# KiCad board SmallDSPMicro.kicad_pcb (continued)
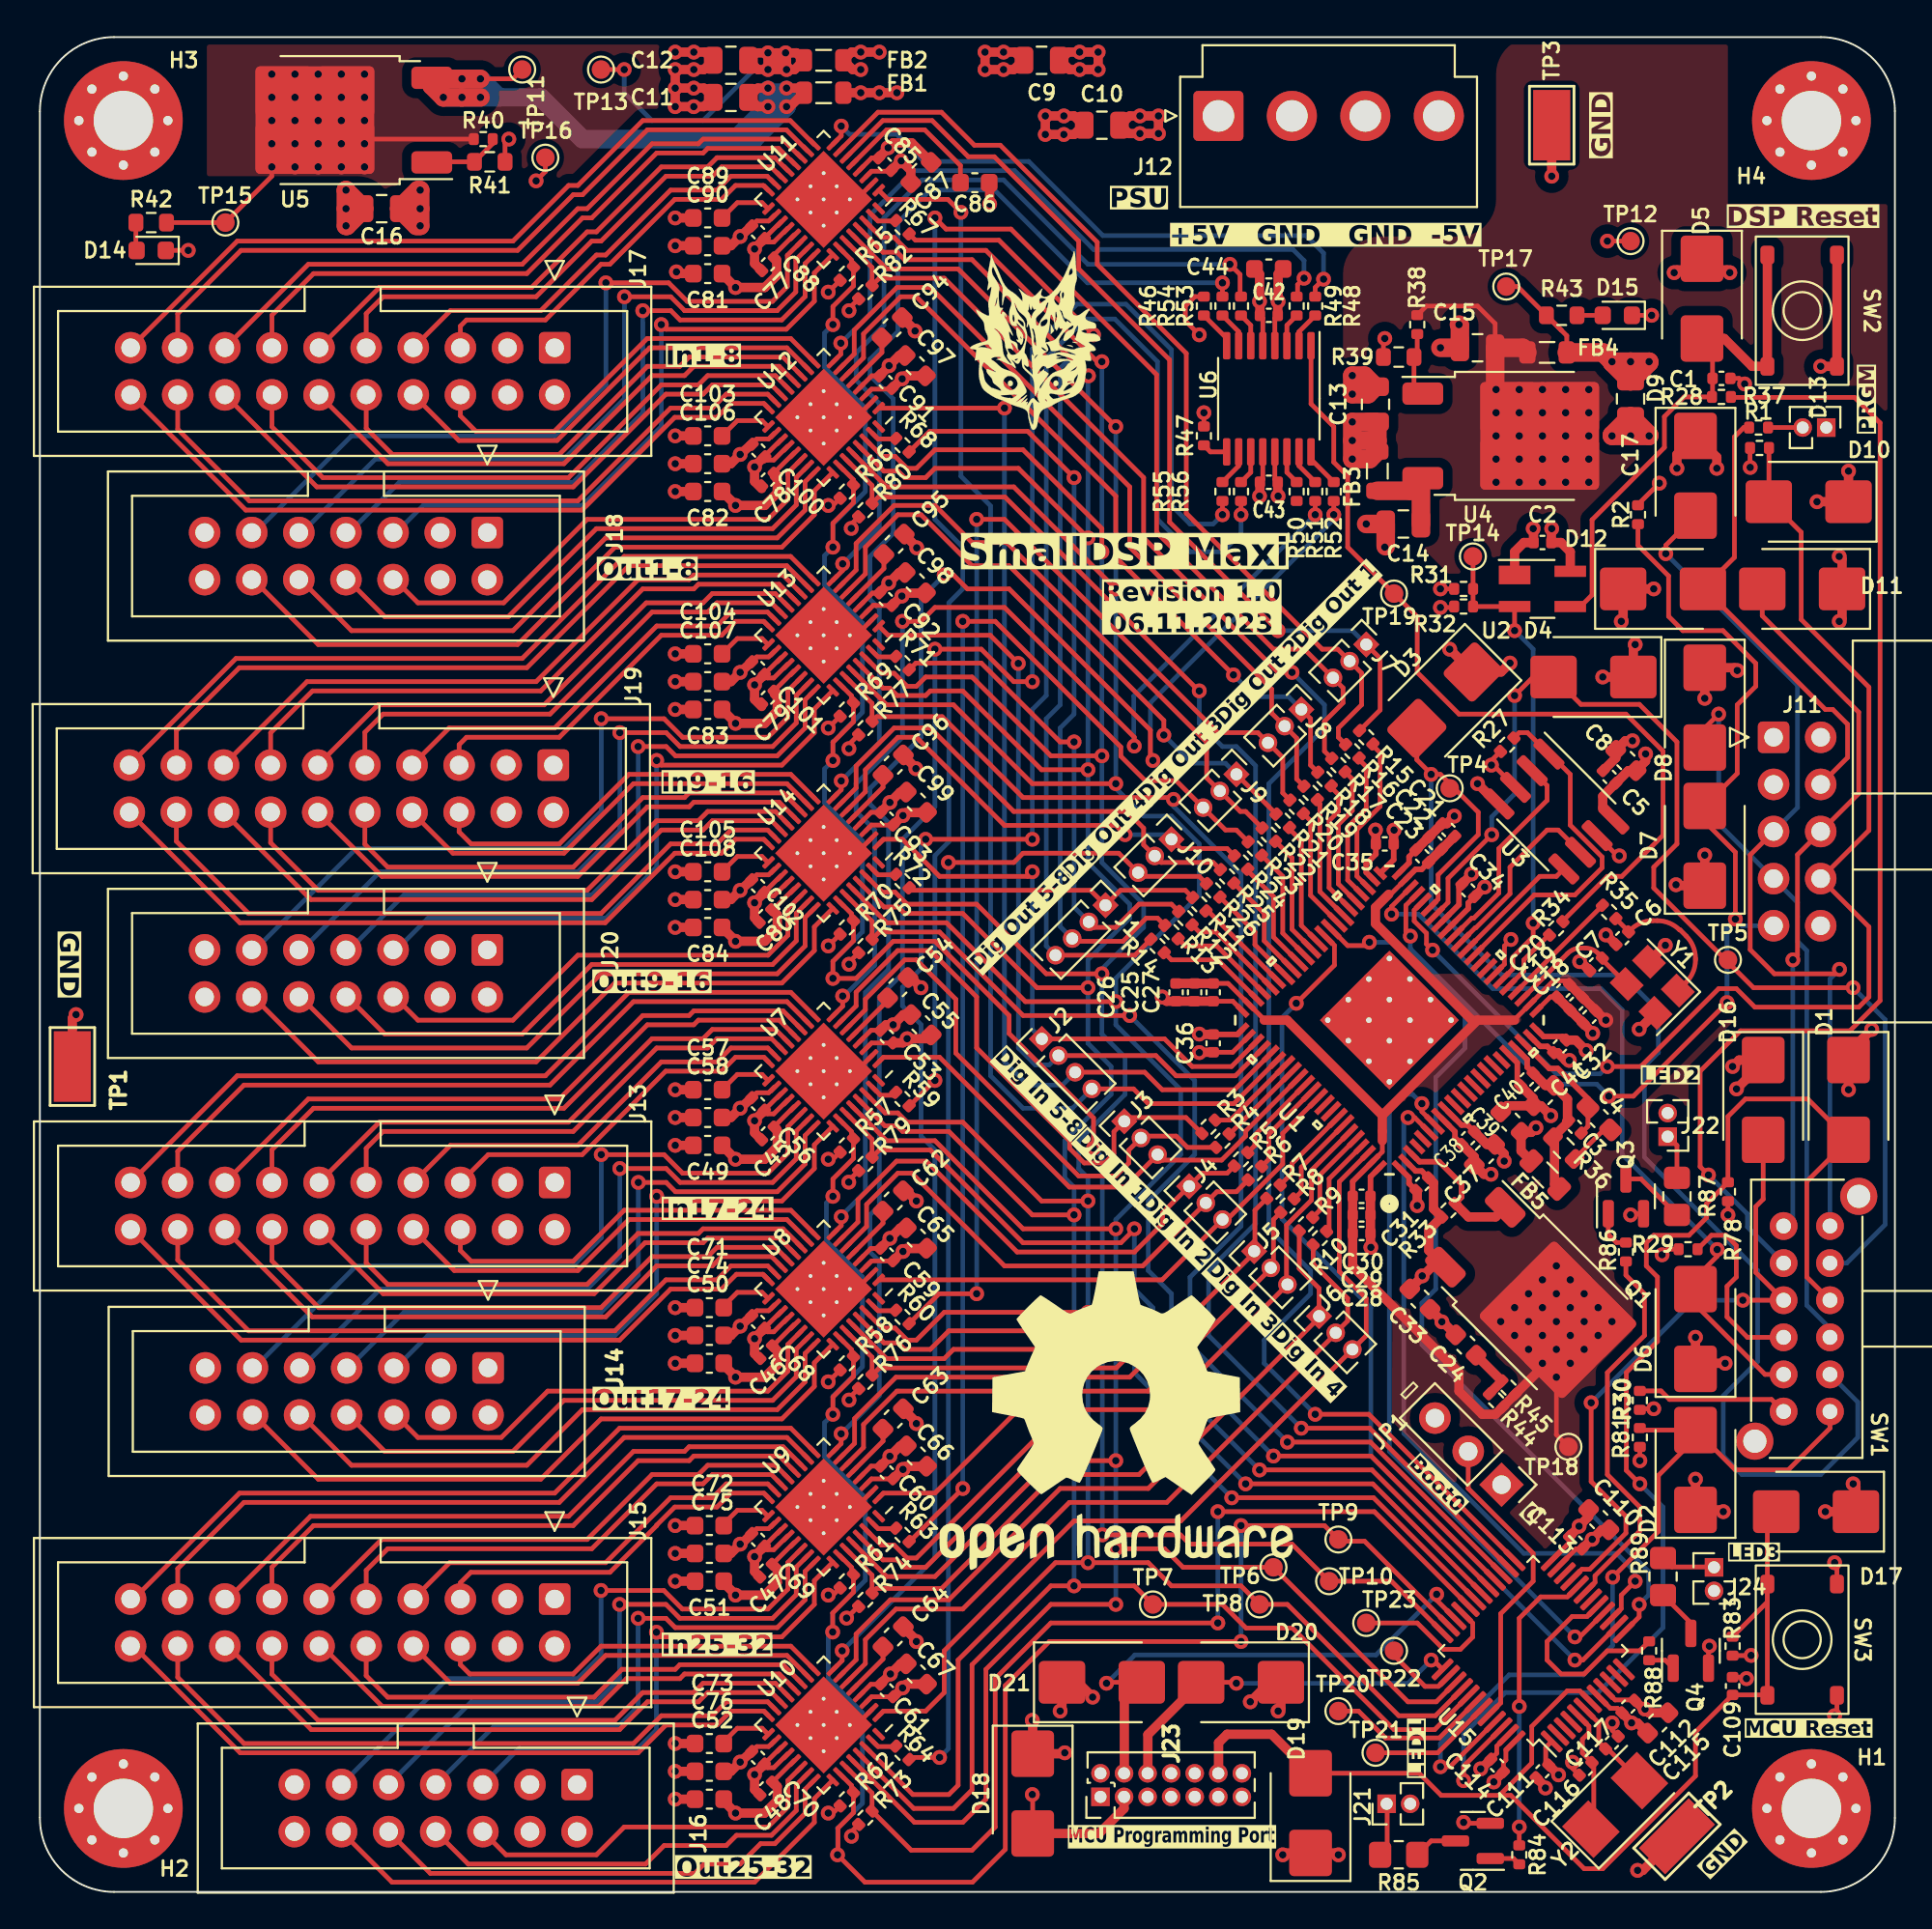
[diagram p0: board, top side]
## Routing (per net, layer and track width the routed paths; a pad name or vN(x,y) marks a point on that pad's centre or on a via; arc(x,y) is an arc through that point) (continued)
+5V: length 218.4
  Top w0.25: v1(23.75,97.75) 25.5,97.75 TP11.1
  Top w0.5: v1(39.25,96.25) 38.7,96.25 C11.1 38.7,97.25 v1(39.25,97.25) ; v1(40.25,97.25) 40.94,97.25 FB1.2 40.44,96.25 v1(40.25,96.25)
  Top w1: U5.3 21.12,97.38 v1(21.75,96.75) v1(22.75,96.75) v1(23.75,96.75) ; v1(23.75,97.75) v1(22.75,97.75) 21.18,97.75
  In2.Cu w1: 24.25,48.21 25.46,48.21 27.68,50.43 J19.2 28.46,58.21 30,59.75 30,61.5 24.25,67.25 24.25,70.71 25.45,70.71 27.75,73.01 J17.2 29.21,80.71 30.25,81.75 30.25,84.5 27.25,87.5 13.25,87.5 10,90.75 10,97.75 11.35,99.1 19.05,99.1 20.4,97.75 v1(22.75,97.75) ; v1(21.75,96.75) v1(22.75,97.75) ; v1(22.75,97.75) v1(23.75,96.75) v1(23.75,97.75) v1(22.75,96.75) ; 24.25,25.71 24.25,24.9 34.5,14.65 34.5,12.75 33.25,11.5 29.5,11.5 J15.2 31.5,9.5 31.5,4.75 30,3.25 J16.2 ; 24.54,48.21 35.25,37.5 35.25,35.75 34,34.5 30.75,34.5 29.54,35.71 J13.2 27.75,27.25 26.25,25.75 24.29,25.75
  Bottom w0.5: v1(40.25,97.25) v1(39.25,96.25) v1(39.25,97.25) v1(40.25,97.25) ; v1(40.25,97.25) v1(40.25,96.25) 40.15,96.25 39.25,97.15
  Bottom w1: 37.5,94.5 v1(39.25,96.25) ; 37.5,94.5 38.5,94.5 v1(40.25,96.25) ; 37.5,94.5 29.25,94.5 27,96.75 24.75,96.75 ; v1(39.25,96.25) v1(40.25,96.25) ; v1(39.25,96.25) 39.25,97.15 ; v1(40.25,96.25) 40.25,97.15 ; 24.75,96.75 v1(23.75,96.75) v1(21.75,96.75) ; 24.75,96.75 v1(23.75,97.75) ; v1(22.75,97.75) v1(22.75,96.75)
-5V: length 330.5
  Top w0.25: TP13.1 v1(31.5,98.25)
  Top w0.5: v1(40.25,98.25) 40.69,98.25 FB2.2 40.79,99.15 v1(40.2,99.15) ; v1(40.25,98.25) v1(39.25,98.25) ; v1(40.25,98.25) 40.25,98.75 ; v1(40.25,98.25) 39.35,99.15 v1(39.25,99.15) ; v1(40.2,99.15) v1(39.25,99.15) ; v1(40.2,99.15) 40.25,99.1 40.25,98.75 ; v1(39.25,99.15) 38.6,99.15 C12.1 38.7,98.25 v1(39.25,98.25) ; v1(39.25,99.15) v1(39.25,98.25) ; v1(39.25,98.25) 39.75,98.75 40.25,98.75
  In2.Cu w0.5: v1(39.25,98.25) 39.3,98.25
  In2.Cu w1: 39.5,1.75 38.65,0.9 13.6,0.9 11.75,2.75 11.75,6.25 14,8.5 ; 14,8.5 11.25,11.25 4.25,11.25 3.25,12.25 3.25,16.5 4.5,17.75 ; 14,8.5 26.75,8.5 28.96,6.29 J16.1 ; 9.75,30.75 7.25,33.25 4.75,33.25 3.25,34.75 3.25,39.25 4.75,40.75 ; 9.75,30.75 9.11,30.75 7,28.64 7,20.25 4.5,17.75 ; 9.75,30.75 23,30.75 24.25,29.5 24.25,28.25 ; 4,63.25 7,66.25 7,73.8 8.7,75.5 10,75.5 ; 4,63.25 25.18,63.25 J19.1 ; 4,63.25 3,62.25 3,56.5 6.25,53.25 ; 10,75.5 23.25,75.5 24.25,74.5 24.25,73.25 ; 10,75.5 7,78.5 4.25,78.5 3,79.75 3,84.25 4.25,85.5 25.75,85.5 27.75,83.5 ; 4.75,40.75 6.25,42.25 6.25,53.25 ; 4.75,40.75 26.25,40.75 27.75,39.25 J13.1 ; 4.5,17.75 5.25,18.5 26.27,18.5 27.75,17.02 J15.1 ; 6.25,53.25 23.5,53.25 24.25,52.5 24.25,50.75
  Bottom w0.25: v1(39.25,98.25) 38.5,98.25 35.75,95.5 33,95.5 31.5,97 v1(31.5,98.25)
/5V PR: length 24.6
  Top w0.25: J11.4 97.45,61.16 97.45,62.95 96.65,63.75 96.25,63.75 89.75,70.25 D12.2 91.35,71.95 91.35,78.45 91.85,78.95 R37.1
GND: length 266.6
  Top w0.25: 39.04,30.37 39.22,30.2 39.56,30.2 40.31,30.94 ; 39.95,19.55 39.04,18.64 ; R62.2 42.75,4.25 v1(42.5,4.25) ; U6.12 65.93,76.15 C43.2 ; 40.31,7.44 39.56,6.7 39.22,6.7 39.04,6.87 ; U6.5 65.93,84.85 C42.2 ; U9.2 44.02,20.75 ; 39.95,7.8 39.04,6.89 ; v1(92.2,76.8) 92.19,76.81 R1.1 ; C109.1 91.92,11.58 v1(92,11.5) ; R29.1 87.75,34.65 v1(87.45,34.35) ; U13.2 44.02,67.75 ; v1(42.5,39.5) 42.75,39.5 R57.2 ; 45.31,11.19 44.8,11.19 U10.4 ; C1.2 91.6,81.6 v1(91.9,81.3) ; v1(25.28,94.5) 25.08,94.3 R41.2 ; C91.2 44.84,81.74 U12.4 ; R70.2 v1(42.5,51) ; TP12.1 v1(84.5,89) ; U1.66 64.31,48.02 C27.2 ; v1(79.3,51.35) 78.95,51 78.95,50.02 U1.29 ; U15.47 78.54,7.86 78.54,7.47 C114.1 ; U15.23 82.81,18.49 C113.1 ; v1(82.62,6.99) 82.62,6.66 C116.2 ; v1(85.75,36.5) 85.81,36.56 Q3.2 ; 45.15,70.03 44.88,70.03 U13.4 ; U10.2 44.02,9 ; U8.2 44.02,32.5 ; v1(96.75,9.5) 96.88,9.62 SW3.1 ; U7.2 44.02,44.25 ; R58.2 v1(42.5,27.5) ; 45.31,34.69 44.8,34.69 U8.4 ; 40.31,54.44 39.56,53.7 39.22,53.7 39.04,53.87 ; 39.04,77.37 39.22,77.2 39.56,77.2 40.31,77.94 ; C60.2 44.81,22.96 U9.4 ; 39.95,43.05 39.04,42.14 ; v1(42.5,16) 42.75,16 R61.2 ; R66.2 42.75,74.75 v1(42.5,74.75) ; Q2.2 76.8,3.7 v1(76.75,3.75) ; v1(26.75,92.25) 27.25,92.75 TP16.1 ; v1(96.75,17.75) 96.88,17.62 SW3.1 ; 39.95,90.05 39.04,89.14 ; 39.95,54.8 39.04,53.89 ; C117.2 84.76,8.71 v1(84.76,9.11) ; v1(90,13.25) 89.95,13.2 Q4.2 ; v1(72.5,83.75) 72.43,83.67 R39.2 ; 39.95,78.3 39.04,77.39 ; R65.2 v1(42.5,86.25) ; R69.2 v1(42.5,62.75) ; R31.1 v1(75.5,70.25) ; U12.2 44.02,79.5 ; U11.4 44.84,93.49 C85.2 ; U11.2 44.02,91.25 ; 40.31,66.19 39.56,65.45 39.22,65.45 39.04,65.62 ; 39.04,89.12 39.22,88.95 39.56,88.95 40.31,89.69 ; C93.2 44.81,58.21 U14.4 ; U15.8 84.66,9.9 85.04,9.9 C112.1 ; U1.23 81.43,48.25 C20.2 ; 39.04,18.62 39.22,18.45 39.56,18.45 40.31,19.19 ; 39.04,42.12 39.22,41.95 39.56,41.95 40.31,42.69 ; D15.1 v1(86.89,85) ; U7.4 44.81,46.46 C53.2 ; U14.2 44.02,56 ; 39.95,66.55 39.04,65.64 ; D14.1 v1(8,88.5) ; 39.95,31.3 39.04,30.39
  Top w0.3: C35.2 72.98,55.65 U1.45 ; U1.18 79.64,44.7 79.64,43.64 C40.2 ; C31.2 73.81,38.19 73.81,38.51 U1.1 ; U1.88 71.73,38.56 C30.2 ; U1.67 64.56,46.23 C36.2 ; C38.2 76.29,40.66 76.29,40.99 U1.8 ; C23.2 73.81,55.81 73.81,55.49 U1.44 ; C34.2 77,53.32 77,53.02 U1.36 ; U1.21 80.88,45.59 81.26,45.59 C32.2
  Top w0.5: C77.2 38.53,87.79 v1(38.53,88.58) ; C58.2 v1(34.25,41.75) ; C80.2 38.53,52.52 v1(38.53,53.33) ; 39.04,77.37 38.53,76.86 ; C31.2 74.25,37.75 v1(74.25,37) ; 80.52,73.48 C2.2 80,72.75 79.5,72.25 U2.1 ; C57.2 v1(34.25,43.25) ; C35.2 72.98,57.23 v1(73,57.25) ; v1(60.5,48.25) 60.73,48.02 C25.2 62,48.02 ; C45.2 38.53,40.93 v1(38.53,41.58) ; C105.2 v1(34.25,55) ; C67.2 46.4,12.3 v1(45.85,11.75) 45.32,11.22 C61.2 ; C23.2 C22.2 C21.2 75.84,57.59 v1(76.25,58) ; C89.2 v1(34.25,90.25) ; C83.2 v1(34.25,63.75) ; v1(47.25,13.5) 47.25,13.57 46.53,14.28 ; C43.2 65.77,75.27 v1(65.75,75.25) ; TP1.1 1.75,47.1 v1(1.95,47.3) ; v1(34.32,87.34) 34.41,87.25 C81.2 ; v1(38.53,6.33) 38.53,5.52 38.77,5.27 ; 45.31,58.19 45.82,58.71 v1(45.82,58.74) 46.37,59.28 46.69,59.28 ; v1(96,82.25) SW2.1 SW2.1 ; 39.04,30.37 38.53,29.86 ; C91.2 45.78,82.26 v1(45.78,82.28) 46.32,82.83 C97.2 ; C94.2 47.18,84.19 ; 35.85,99.19 v1(35.25,99.19) v1(34.25,99.19) ; 46.63,71.12 46.31,71.12 v1(45.76,70.57) 45.76,70.54 45.25,70.03 ; C20.2 C19.2 C18.2 83.71,46.32 v1(83.71,46.29) ; 80.56,42.39 80.91,42.39 v1(81.45,41.85) ; 80.56,42.39 79.09,42.39 C39.2 ; 80.56,42.39 C41.2 80.51,42.78 C40.2 ; C108.2 v1(34.25,53.5) ; v1(34.25,97.25) v1(34.25,98.25) v1(35.25,98.25) 35.8,98.25 C12.2 35.85,99.2 ; v1(34.25,97.25) v1(35.25,97.25) 35.8,97.25 C11.2 35.8,96.25 v1(35.25,96.25) v1(34.25,96.25) v1(34.25,97.25) ; v1(57.05,99.19) v1(56.05,99.19) 55.45,99.19 ; v1(83,50.16) 83.06,50.16 C7.2 ; C103.2 v1(34.25,78.5) ; 35.22,6.5 v1(34.25,6.5) ; 38.77,17.02 38.53,17.27 v1(38.53,18.08) ; v1(62.5,46.25) 62.52,46.23 C36.2 ; 46.95,49.3 v1(47.5,48.75) ; C90.2 v1(34.25,88.75) ; C110.2 84.19,19.52 v1(83.68,19.01) 83.65,19.01 C113.1 ; C107.2 v1(34.25,65.25) ; C84.2 v1(34.25,52) ; TP3.1 v1(81.5,92.5) ; v1(71.75,34.75) 71.73,34.77 C28.2 C29.2 C30.2 ; C27.2 62,48.02 ; 62,48.02 C26.2 ; v1(82.45,44.83) 82.24,44.83 81.82,45.25 C32.2 ; 35.22,19.75 v1(34.25,19.75) ; C42.2 65.77,85.73 v1(65.75,85.75) 65.75,87.22 C44.2 ; v1(47.25,25.25) 47.25,25.32 46.53,26.03 ; C115.2 86.12,9.11 v1(85.8,9.11) 85.8,9.14 C112.1 ; 35.22,5 v1(34.25,5) ; TP2.1 86.41,1.16 v1(86.13,1.16) ; C111.1 81.16,5.66 v1(81.16,5.6) ; v1(84.42,51.6) 84.45,51.6 C6.2 ; v1(86.21,46.51) Y1.4 ; 78.6,58.65 v1(77.5,59.75) ; C38.2 77.33,39.62 C37.2 77.84,38.69 v1(78.23,38.69) ; v1(85.85,62.06) 85.46,62.06 C8.2 84.95,61.13 C5.2 ; 45.31,22.94 45.82,23.46 v1(45.82,23.49) 46.37,24.03 46.69,24.03 ; 35.22,28.5 v1(34.25,28.5) ; C82.2 v1(34.25,75.5) ; C86.2 51.2,92.12 v1(51.2,91) ; C85.2 45.73,94.01 v1(45.73,94.03) 45.99,94.3 47,94.3 C87.2 ; v1(38.53,65.08) 38.53,64.29 38.91,63.91 ; v1(38.53,76.83) 38.53,76.04 38.91,75.66 ; C53.2 45.61,46.75 v1(46,46.75) 46.55,47.3 C55.2 ; 39.04,65.62 38.53,65.11 ; C24.2 75.62,30.74 v1(75.58,30.74) 75.58,30.78 C33.2 ; 39.04,53.87 38.53,53.36 ; 35.22,30 v1(34.25,30) ; C106.2 v1(34.25,77) ; 45.31,34.69 45.82,35.21 v1(45.82,35.24) 46.37,35.78 46.69,35.78 ; 55.45,99.2 55,98.75 55.5,98.25 v1(56.05,98.25) v1(57.05,98.25) 57.05,99.2 ; 39.04,42.12 38.53,41.61 ; 46.53,61.28 47.22,60.59 ; C114.1 77.7,6.64 v1(77.67,6.64) ; 39.04,89.12 38.53,88.61 ; C49.2 v1(34.25,40.25) ; 35.22,16.75 v1(34.25,16.75) ; C104.2 v1(34.25,66.75) ; 38.77,28.77 38.53,29.02 v1(38.53,29.83) ; 35.22,8 v1(34.25,8) ; v1(77.88,54.18) 77.86,54.18 C34.2 ; v1(87.63,51.03) Y1.2 ; 39.04,18.62 38.53,18.11 ; 39.04,6.87 38.53,6.36 ; 46.58,73.19 47.27,72.5 ; 35.22,18.25 v1(34.25,18.25) ; 35.22,31.5 v1(34.25,31.5) ; 46.7,37.8 v1(47.25,37.25) ; v1(59.3,94.8) 58.7,94.8 58.25,95.25 58.75,95.75 v1(59.3,95.75) v1(60.3,95.75) v1(60.3,94.8) v1(59.3,94.8)
  Top w1: v1(76.5,84.5) 76.55,84.45 C15.2 v1(75.5,83.25) ; C17.2 84.75,78.55 v1(84.75,78.5) v1(85.75,78.5) ; C17.2 v1(85.75,78.5) ; C17.2 86.75,78.55 v1(86.75,78.5) v1(85.75,78.5) ; v1(71.5,73.75) C14.2 72.55,72.55 ; v1(20.5,90.75) v1(20.5,89.83) 20.3,89.83 C16.2 ; v1(20.5,90.75) v1(20.5,91.75) 20.38,91.75 C16.2 ; v1(20.5,90.75) C16.2 ; 71.4,81.75 C13.2 71.6,80.75 v1(70.75,80.75) v1(70.75,81.75) 71.4,81.75
  vias: v1(47.18,84.16) v1(47.22,60.56) v1(47.27,72.47) v1(72.5,72.5) v1(80.5,73.5)
/BCLK In0: length 30
  Top w0.25: 58.66,41.75 61.78,41.75 R3.1 ; U7.7 44,47.77 44,48.51 46.24,50.75 48,50.75 50.5,48.25 50.5,45.5 55.51,40.49 55.51,40.09 56.3,39.3 57.4,39.3 57.9,39.8 57.9,40.99 J3.1
/BCLK In1: length 28.1
  Top w0.25: R5.1 64,38.75 62.66,38.75 J4.1 60.53,36.62 60.53,36.03 59,34.5 52.68,34.5 47.78,39.4 46.18,39.4 44.1,37.32 44.1,36.12 U8.7
/BCLK In2: length 30.8
  Top w0.25: U9.7 43.92,24.19 43.92,25.52 46.15,27.75 58.75,27.75 65.46,34.46 ; R7.1 65.5,36.75 65.5,34.59
/BCLK In3: length 39.7
  Top w0.25: J6.1 68.96,32.54 67.89,33.61 R9.1 ; U10.7 44,12.52 44,13.9 45.85,15.75 49,15.75 55,21.75 59.75,21.75 68.96,30.96
/BCLK Out0: length 51.8
  Top w0.25: U11.7 45.18,95.95 48.6,95.95 50.38,94.17 51.77,94.17 57,88.94 57,87.75 61.8,82.95 61.8,74.33 69.12,67 69.96,67 J7.2 71.25,65.71 71.25,64 70,62.75 70,62.25 R16.2
/BCLK Out1: length 42.7
  Top w0.25: U12.7 43.9,82.92 43.9,84.2 46.2,86.5 48,86.5 58.75,75.75 58.75,72.5 66.4,64.85 66.4,63.55 J8.2 67.75,62.2 67.75,60 R19.2
/BCLK Out2: length 33.8
  Top w0.25: U13.7 44,71.27 44,72.7 46.05,74.75 48.25,74.75 50.25,72.75 52.12,72.75 62.9,61.97 62.9,60.06 J9.2 64.71,58.25 65,58.25 R22.2
/BCLK Out3: length 26.6
  Top w0.25: R25.2 63.25,55.5 60.45,55.5 J10.2 59.5,56.45 59.5,57.35 58.6,58.25 52.5,58.25 48,62.75 46.05,62.75 44,60.7 44,59.52 U14.7
/Codecs 1-4/In L1+: length 19.5
  Top w0.25: 39.28,44.75 39.03,45 37.5,45 36.75,44.25 33.74,44.25 29.24,39.75 24.17,39.75 J13.5
/Codecs 1-4/In L1-: length 22.7
  Top w0.25: J13.7 22.13,40.25 29,40.25 33.5,44.75 36.5,44.75 37.25,45.5 39.24,45.5 39.63,45.1
/Codecs 1-4/In L2+: length 33.2
  Top w0.25: 40.69,46.16 39.86,47 35.5,47 35.25,46.75 32.75,46.75 28.25,42.25 14.75,42.25 12.51,40.01 J13.13
/Codecs 1-4/In L2-: length 35.3
  Top w0.25: J13.15 14.47,42.75 28,42.75 32.5,47.25 35,47.25 35.25,47.5 40.07,47.5 41.05,46.52
/Codecs 1-4/In L3+: length 38.8
  Top w0.25: U8.16 38.98,33.3 37.55,33.3 36.75,32.5 34,32.5 31.25,29.75 10.85,29.75 J13.20 ; 39.28,33 39.03,33.25
/Codecs 1-4/In L3-: length 37
  Top w0.25: 39.63,33.35 39.24,33.75 37.25,33.75 36.5,33 33.75,33 31,30.25 11.25,30.25 7.43,34.07 J13.18
/Codecs 1-4/In L4+: length 28.7
  Top w0.25: 40.69,34.41 39.86,35.25 36,35.25 35.75,35 32.62,35 29.88,32.25 18.51,32.25 J13.12
/Codecs 1-4/In L4-: length 27.4
  Top w0.25: 41.05,34.77 40.07,35.75 35.75,35.75 35.5,35.5 32.25,35.5 29.5,32.75 18.75,32.75 17.59,33.91 J13.10
/Codecs 1-4/In L5+: length 19.6
  Top w0.25: 39.28,21.25 39.03,21.5 37.25,21.5 36.5,20.75 34.22,20.75 33.25,19.78 33.25,19.75 30.73,17.23 23.23,17.23 22.67,16.67 J15.5
/Codecs 1-4/In L5-: length 22.2
  Top w0.25: J15.7 22.09,17.75 30.5,17.75 34,21.25 36.25,21.25 37,22 39.24,22 39.63,21.6
/Codecs 1-4/In L6+: length 32.7
  Top w0.25: 40.69,22.66 39.86,23.5 35.25,23.5 35,23.25 32.25,23.25 28.75,19.75 14.75,19.75 12.51,17.51 J15.13
/Codecs 1-4/In L6-: length 34.7
  Top w0.25: 10.13,15.79 14.59,20.25 28.5,20.25 32,23.75 34.75,23.75 35,24 40.07,24 41.05,23.02
/Codecs 1-4/In L7+: length 37.6
  Top w0.25: 39.28,9.5 39.03,9.75 37.25,9.75 36.5,9 33.75,9 32.25,7.5 10.8,7.5 5.05,13.25
/Codecs 1-4/In L7-: length 36.5
  Top w0.25: J15.18 7.43,11.57 11,8 32,8 33.5,9.5 36.25,9.5 37,10.25 39.24,10.25 39.63,9.85
/Codecs 1-4/In L8+: length 27.9
  Top w0.25: 15.21,13.25 18.46,10 30.12,10 31.62,11.5 34.5,11.5 34.75,11.75 39.86,11.75 40.69,10.91
/Codecs 1-4/In L8-: length 26.7
  Top w0.25: 41.05,11.27 40.07,12.25 34.5,12.25 34.25,12 31.38,12 29.88,10.5 18.75,10.5 17.59,11.66 J15.10
/Codecs 1-4/In R1+: length 26.9
  Top w0.25: 39.99,45.46 39.44,46 36.5,46 36,45.5 33.25,45.5 28.75,41 18.5,41 17.59,40.09 J13.9
/Codecs 1-4/In R1-: length 29
  Top w0.25: J13.11 18.3,41.5 28.5,41.5 33,46 35.75,46 36.25,46.5 39.65,46.5 40.34,45.81
/Codecs 1-4/In R2+: length 39.5
  Top w0.25: 41.4,46.87 40.27,48 32,48 27.5,43.5 11,43.5 7.43,39.93 J13.17
/Codecs 1-4/In R2-: length 41.6
  Top w0.25: J13.19 10.64,44 27.25,44 31.75,48.5 40.48,48.5 41.75,47.22
/Codecs 1-4/In R3+: length 33.5
  Top w0.25: 39.99,33.71 39.44,34.25 36.75,34.25 36.25,33.75 33.25,33.75 30.5,31 14.68,31 J13.16
/Codecs 1-4/In R3-: length 32.2
  Top w0.25: J13.14 12.51,34.02 15.03,31.5 30.25,31.5 33,34.25 36,34.25 36.5,34.75 39.65,34.75 40.34,34.06
/Codecs 1-4/In R4+: length 23.8
  Top w0.25: 41.4,35.12 40.27,36.25 31.75,36.25 29,33.5 22.34,33.5 J13.8
/Codecs 1-4/In R4-: length 22.1
  Top w0.25: 41.75,35.47 40.48,36.75 31.5,36.75 28.75,34 23.25,34 22.67,34.58 J13.6
/Codecs 1-4/In R5+: length 26.3
  Top w0.25: 39.99,21.96 39.44,22.5 36.25,22.5 35.75,22 33.25,22 29.75,18.5 18.75,18.5 17.59,17.34 J15.9
/Codecs 1-4/In R5-: length 28.4
  Top w0.25: 15.21,15.79 18.42,19 29.5,19 33,22.5 35.5,22.5 36,23 39.65,23 40.34,22.31
/Codecs 1-4/In R6+: length 39
  Top w0.25: J15.17 7.43,17.43 11,21 28,21 31.5,24.5 40.27,24.5 41.4,23.37
/Codecs 1-4/In R6-: length 41
  Top w0.25: 41.75,23.72 40.48,25 31.25,25 27.75,21.5 10.76,21.5 5.05,15.79
/Codecs 1-4/In R7+: length 32.8
  Top w0.25: 39.99,10.21 39.44,10.75 36,10.75 35.5,10.25 32.75,10.25 31.25,8.75 14.63,8.75 10.13,13.25
/Codecs 1-4/In R7-: length 31.5
  Top w0.25: J15.14 12.51,11.74 15,9.25 31,9.25 32.5,10.75 35.25,10.75 35.75,11.25 39.65,11.25 40.34,10.56
/Codecs 1-4/In R8+: length 23.2
  Top w0.25: J15.8 22.13,11.25 29,11.25 30.5,12.75 40.27,12.75 41.4,11.62
/Codecs 1-4/In R8-: length 21.4
  Top w0.25: 41.75,11.97 40.48,13.25 30.25,13.25 28.75,11.75 23.17,11.75 22.67,12.25 J15.6
/Codecs 1-4/Out L1: length 39.5
  Top w0.25: v1(30.26,39.75) 33.65,39.75 34.65,38.75 39.25,38.75 40.32,39.83 40.32,41.26 U7.22
  Bottom w0.25: 11.55,28.25 17.05,33.75 28.75,33.75 30.26,35.26 v1(30.26,39.75)
/Codecs 1-4/Out L2: length 34.8
  Top w0.25: 41.75,41.29 41.25,40.78 41.25,39.25 39.75,37.75 34.26,37.75 33.76,38.25 v1(32.26,38.25)
  Bottom w0.25: 16.63,28.25 19.63,31.25 30.25,31.25 32.26,33.26 v1(32.26,38.25)
/Codecs 1-4/Out L3: length 25.6
  Top w0.25: 19.17,25.71 20.38,24.5 24.88,24.5 27.37,27 39.25,27 40.32,28.08 40.32,29.51 U8.22
/Codecs 1-4/Out L4: length 32.4
  Top w0.25: 14.09,25.71 16.8,23 26.25,23 29.25,26 39.75,26 41.25,27.5 41.25,29.03 41.75,29.54
/Codecs 1-4/Out L5: length 33.8
  Top w0.25: U9.22 40.32,17.76 40.32,16.33 39.25,15.25 34.64,15.25 33.64,16.25 v1(30.25,16.25)
  Bottom w0.25: J16.11 21.97,11.5 29,11.5 30.25,12.75 v1(30.25,16.25)
/Codecs 1-4/Out L6: length 29.5
  Top w0.25: v1(32.25,14.75) 33.75,14.75 34.25,14.25 39.75,14.25 41.25,15.75 41.25,17.28 41.75,17.79
  Bottom w0.25: v1(32.25,14.75) 32.25,10 31.25,9 24.55,9 J16.7
/Codecs 1-4/Out L7: length 20.5
  Top w0.25: J16.6 25.13,2 30,2 31.5,3.5 39.25,3.5 40.32,4.58 40.32,6.01 U10.22
/Codecs 1-4/Out L8: length 26.7
  Top w0.25: 41.75,6.04 41.25,5.53 41.25,4.23 39.62,2.6 38.85,2.6 37.75,1.5 35.8,1.5 35.3,1 21.05,1 J16.10
/Codecs 1-4/Out R1: length 37.1
  Top w0.25: v1(31.26,39) 33.76,39 34.51,38.25 39.5,38.25 40.78,39.52 40.78,41.01 41.4,41.64
  Bottom w0.25: v1(31.26,39) 31.26,34.26 29.5,32.5 18.34,32.5 14.09,28.25
/Codecs 1-4/Out R2: length 33
  Top w0.25: 42.75,41.28 41.75,40.28 41.75,39 40,37.25 33.5,37.25 v1(33.25,37.5) ; 42.73,41.27 42.74,41.26
  Bottom w0.25: 19.17,28.25 20.92,30 31,30 33.25,32.25 v1(33.25,37.5)
/Codecs 1-4/Out R3: length 29
  Top w0.25: 16.63,25.71 18.59,23.75 25.5,23.75 28.25,26.5 39.5,26.5 40.77,27.77 40.78,29.26 41.4,29.89
/Codecs 1-4/Out R4: length 36.4
  Top w0.25: 42.73,29.52 42.74,29.51 ; 42.75,29.53 41.75,28.53 41.75,27.25 40,25.5 30.25,25.5 27,22.25 15.01,22.25 11.55,25.71
/Codecs 1-4/Out R5: length 31.6
  Top w0.25: v1(31.25,15.5) 33.75,15.5 34.5,14.75 39.5,14.75 40.78,16.02 40.77,17.51 41.4,18.14
  Bottom w0.25: v1(31.25,15.5) 31.25,11.5 30,10.25 23.26,10.25 J16.9
/Codecs 1-4/Out R6: length 27.9
  Top w0.25: 42.75,17.78 41.75,16.78 41.75,15.5 40,13.75 33.49,13.75 v1(33.24,14) ; 42.73,17.77 42.74,17.76
  Bottom w0.25: v1(33.24,14) 33.24,8.74 32.25,7.75 25.84,7.75 J16.5
/Codecs 1-4/Out R7: length 23.6
  Top w0.25: 41.4,6.39 40.78,5.76 40.78,4.39 39.43,3.05 37.55,3.05 37,2.5 33.65,2.5 32.65,1.5 23.09,1.5 J16.8
/Codecs 1-4/Out R8: length 30.7
  Top w0.25: J16.12 18.98,0.53 38.53,0.53 41.75,3.75 41.75,5.03 42.75,6.03 ; 42.73,6.02 42.74,6.01
/Codecs 5-8/In L1+: length 21
  Top w0.25: 39.26,91.74 39,92 37.5,92 36.75,91.25 34.22,91.25 30.72,87.75 30.25,87.75 27.25,84.75 23,84.75 22.67,84.42 J17.5
/Codecs 5-8/In L1-: length 23.5
  Top w0.25: J17.7 22.13,85.25 27,85.25 30,88.25 30.5,88.25 34,91.75 36.5,91.75 37.25,92.5 39.21,92.5 39.62,92.09
/Codecs 5-8/In L2+: length 34
  Top w0.25: 40.68,93.15 39.83,94 36,94 35.75,93.75 33.25,93.75 29.75,90.25 29.25,90.25 26.25,87.25 14.75,87.25 12.51,85.01 J17.13
/Codecs 5-8/In L2-: length 36.1
  Top w0.25: 41.03,93.51 40.04,94.5 35.75,94.5 35.5,94.25 33,94.25 29.5,90.75 29,90.75 26,87.75 14.47,87.75 J17.15
/Codecs 5-8/In L3+: length 39.4
  Top w0.25: U12.16 39.03,80.25 37.25,80.25 36.5,79.5 34.22,79.5 29.22,74.5 11.1,74.5 J17.20
/Codecs 5-8/In L3-: length 38.2
  Top w0.25: U12.15 39.23,80.75 37,80.75 36.25,80 34,80 29,75 11.29,75 7.43,78.86 J17.18
/Codecs 5-8/In L4+: length 29.7
  Top w0.25: U12.12 39.85,82.25 35.25,82.25 34.75,81.75 33,81.75 28.25,77 18.76,77 J17.12
/Codecs 5-8/In L4-: length 28.4
  Top w0.25: U12.11 40.06,82.75 35,82.75 34.5,82.25 32.75,82.25 28,77.5 19,77.5 17.59,78.91 J17.10
/Codecs 5-8/In L5+: length 20.6
  Top w0.25: 39.28,68.24 39.02,68.5 37.5,68.5 36.75,67.75 33.5,67.75 28,62.25 23,62.25 22.6,61.85 J19.5
/Codecs 5-8/In L5-: length 23.2
  Top w0.25: 39.63,68.59 39.23,69 37.25,69 36.5,68.25 33.25,68.25 27.75,62.75 22.06,62.75 J19.7
/Codecs 5-8/In L6+: length 33.7
  Top w0.25: J19.13 12.44,62.49 14.7,64.75 27,64.75 32.5,70.25 35.25,70.25 35.5,70.5 39.85,70.5 40.69,69.65
/Codecs 5-8/In L6-: length 35.8
  Top w0.25: J19.15 14.4,65.25 26.75,65.25 32.25,70.75 35,70.75 35.25,71 40.06,71 41.05,70.01
/Codecs 5-8/In L7+: length 38.9
  Top w0.25: J19.20 10.78,52.25 30.47,52.25 34.22,56 36.75,56 37.5,56.75 39.03,56.75 39.28,56.5
/Codecs 5-8/In L7-: length 37.5
  Top w0.25: J19.18 7.36,56.64 11.25,52.75 30.25,52.75 34,56.5 36.5,56.5 37.25,57.25 39.24,57.25 39.63,56.85
/Codecs 5-8/In L8+: length 29.2
  Top w0.25: 40.69,57.91 39.86,58.75 35.25,58.75 35,58.5 32.75,58.5 29,54.75 18.44,54.75 J19.12
/Codecs 5-8/In L8-: length 27.8
  Top w0.25: J19.10 17.52,56.48 18.75,55.25 28.75,55.25 32.5,59 34.75,59 35,59.25 40.07,59.25 41.05,58.27
/Codecs 5-8/In R1+: length 27.7
  Top w0.25: J17.9 17.59,85.09 18.5,86 26.75,86 29.75,89 30.25,89 33.75,92.5 36.25,92.5 36.75,93 39.41,93 39.97,92.44
/Codecs 5-8/In R1-: length 29.8
  Top w0.25: 40.32,92.8 39.62,93.5 36.5,93.5 36,93 33.5,93 30,89.5 29.5,89.5 26.5,86.5 18.3,86.5 J17.11
/Codecs 5-8/In R2+: length 40.4
  Top w0.25: J17.17 7.43,85.09 10.84,88.5 25.75,88.5 28.75,91.5 29.25,91.5 32.75,95 40.24,95 41.38,93.86
/Codecs 5-8/In R2-: length 42.5
  Top w0.25: J17.19 10.64,89 25.5,89 28.5,92 29,92 32.5,95.5 40.45,95.5 41.74,94.21
/Codecs 5-8/In R3+: length 34.6
  Top w0.25: U12.14 39.44,81.25 36.25,81.25 35.75,80.75 33.75,80.75 28.75,75.75 14.93,75.75 J17.16
/Codecs 5-8/In R3-: length 33.3
  Top w0.25: U12.13 39.65,81.75 36,81.75 35.5,81.25 33.5,81.25 28.5,76.25 15.25,76.25 12.51,78.99 J17.14
/Codecs 5-8/In R4+: length 24.8
  Top w0.25: U12.10 40.27,83.25 32.88,83.25 27.88,78.25 22.59,78.25 J17.8
/Codecs 5-8/In R4-: length 23.2
  Top w0.25: U12.9 40.47,83.75 32.74,83.75 27.74,78.75 23.5,78.75 22.67,79.58 J17.6
/Codecs 5-8/In R5+: length 27.4
  Top w0.25: 39.99,68.95 39.43,69.5 36.5,69.5 36,69 33,69 27.5,63.5 18.5,63.5 17.52,62.52 J19.9
/Codecs 5-8/In R5-: length 29.5
  Top w0.25: 40.34,69.3 39.64,70 36.25,70 35.75,69.5 32.69,69.5 27.19,64 18.23,64 J19.11
/Codecs 5-8/In R6+: length 40.1
  Top w0.25: 41.4,70.36 40.26,71.5 31.75,71.5 26.25,66 10.75,66 7.36,62.61 J19.17
/Codecs 5-8/In R6-: length 42.1
  Top w0.25: 41.75,70.71 40.47,72 31.5,72 26,66.5 10.57,66.5 J19.19
/Codecs 5-8/In R7+: length 34
  Top w0.25: J19.16 14.61,53.5 29.75,53.5 33.5,57.25 35.75,57.25 36.25,57.75 39.44,57.75 39.99,57.21
/Codecs 5-8/In R7-: length 32.7
  Top w0.25: 40.34,57.56 39.65,58.25 36,58.25 35.5,57.75 33.25,57.75 29.5,54 15,54 12.44,56.56 J19.14
/Codecs 5-8/In R8+: length 24.3
  Top w0.25: 41.4,58.62 40.27,59.75 32,59.75 28.25,56 22.27,56 J19.8
/Codecs 5-8/In R8-: length 22.6
  Top w0.25: 41.75,58.97 40.48,60.25 31.75,60.25 28,56.5 23.25,56.5 22.6,57.15 J19.6
/Codecs 5-8/Out L1: length 41
  Top w0.25: v1(30.51,86.75) 33.9,86.75 34.9,85.75 39.49,85.75 40.29,86.56 40.29,88.23 U11.22
  Bottom w0.25: 11.55,73.25 16.8,78.5 27.75,78.5 30.51,81.26 v1(30.51,86.75)
/Codecs 5-8/Out L2: length 36
  Top w0.25: 32.51,85.25 34.01,85.25 34.51,84.75 39.99,84.75 41.25,86.01 41.25,87.79 41.74,88.27
  Bottom w0.25: 16.63,73.25 19.38,76 28.75,76 32.51,79.76 v1(32.5,85.25)
/Codecs 5-8/Out L3: length 26.4
  Top w0.25: U12.22 40.32,76.51 40.32,76.42 40.32,76.42 40.32,75.08 39.25,74 29.5,74 25,69.5 20.38,69.5 19.17,70.71
/Codecs 5-8/Out L4: length 33.2
  Top w0.25: U12.24 41.25,76.03 41.25,74.5 39.75,73 30.5,73 25.5,68 16.8,68 14.09,70.71
/Codecs 5-8/Out L5: length 40.2
  Top w0.25: 41.05,65.48 40.32,64.75 40.32,64.67 40.32,64.67 40.32,63.33 39.25,62.25 34.65,62.25 33.65,63.25 v1(30.26,63.25)
  Bottom w0.25: 11.55,50.75 17.05,56.25 28.25,56.25 30.26,58.26 v1(30.26,63.25)
/Codecs 5-8/Out L6: length 35.5
  Top w0.25: 41.75,64.78 41.25,64.27 41.25,62.75 39.75,61.25 34.26,61.25 33.76,61.75 32.26,61.75
  Bottom w0.25: v1(32.25,61.75) 32.26,56.26 29.75,53.75 19.63,53.75 16.63,50.75
/Codecs 5-8/Out L7: length 26
  Top w0.25: 19.17,48.21 20.38,47 25.5,47 29,50.5 39.25,50.5 40.32,51.58 40.32,53.01 U14.22
/Codecs 5-8/Out L8: length 32.8
  Top w0.25: 14.09,48.21 16.8,45.5 26.25,45.5 30.25,49.5 39.75,49.5 41.25,51 41.25,52.53 41.75,53.04
/Codecs 5-8/Out R1: length 43.5
  Top w0.25: 41.38,88.63 40.75,87.99 40.75,86.26 39.74,85.25 34.75,85.25 ; v1(31.51,86) 34.01,86 34.76,85.25 39.75,85.25
  Bottom w0.25: v1(31.51,86) 31.51,80.51 28.25,77.25 18.09,77.25 14.09,73.25
/Codecs 5-8/Out R2: length 34.1
  Top w0.25: 42.73,88.27 41.75,87.29 41.75,85.76 40.24,84.25 33.75,84.25 v1(33.5,84.5)
  Bottom w0.25: v1(33.5,84.5) 33.5,79 29.25,74.75 20.67,74.75 19.17,73.25
/Codecs 5-8/Out R3: length 29.8
  Top w0.25: 16.63,70.71 18.59,68.75 25.25,68.75 30,73.5 39.5,73.5 40.78,74.78 40.78,76.26 U12.23
/Codecs 5-8/Out R4: length 37.2
  Top w0.25: U12.25 41.75,75.54 41.75,74.25 40,72.5 31,72.5 25.75,67.25 15.01,67.25 11.55,70.71
/Codecs 5-8/Out R5: length 37.8
  Top w0.25: 41.4,65.13 40.78,64.5 40.78,63.03 39.5,61.75 34.51,61.75 33.76,62.5 v1(31.26,62.5)
  Bottom w0.25: 14.09,50.75 18.34,55 29,55 31.26,57.26 v1(31.26,62.5)
/Codecs 5-8/Out R6: length 33.7
  Top w0.25: 42.73,64.77 42.74,64.76 ; 42.75,64.77 41.75,63.77 41.75,62.5 40,60.75 33.5,60.75 v1(33.25,61)
  Bottom w0.25: 19.17,50.75 20.92,52.5 30.5,52.5 33.25,55.25 v1(33.25,61)
/Codecs 5-8/Out R7: length 29.4
  Top w0.25: 16.63,48.21 18.59,46.25 26,46.25 29.75,50 39.5,50 40.77,51.27 40.77,52.76 41.4,53.39
/Codecs 5-8/Out R8: length 36.8
  Top w0.25: 11.55,48.21 15.01,44.75 26.75,44.75 31,49 40,49 41.75,50.75 41.75,52.03 42.75,53.03 ; 42.73,53.02 42.74,53.01
/Enable Codec 1-4: length 112.2
  Top w0.25: v1(42.75,25.75) 42.75,26.68 43.86,27.79 R58.1 ; 43.1,41.64 43.75,40.99 43.75,40.72 ; R57.1 43.86,39.55 42.75,38.44 v1(42.75,37.5) ; v1(64.75,13.5) 54.42,13.5 52.04,11.13 52.04,2.29 50.28,0.53 44.47,0.53 v1(43,2) 43.03,2.03 43.03,3.44 43.86,4.27 R62.1 ; 43.11,18.14 43.76,17.49 43.76,17.21 ; 43.1,6.39 43.75,5.74 43.75,5.47 ; 43.75,28.97 43.75,29.24 43.1,29.89 ; v1(64.75,19.75) 69.25,19.75 70.09,18.91 71.41,18.91 U15.35 ; v1(42.74,14.01) 42.74,15.04 43.86,16.16 R61.1
  Bottom w0.25: v1(64.75,13.5) v1(64.75,19.75) ; v1(42.75,37.5) 42.4,37.15 42.4,35.1 44.34,33.16 44.34,28.32 42.75,26.72 v1(42.75,25.75) 42.3,25.3 42.3,23.45 44.5,21.25 44.5,16.8 42.74,15.04 v1(42.74,14.01) 42.5,13.77 42.5,11.5 44.34,9.66 44.34,4.78 43,3.44 v1(43,2)